# Altium PCB radxa_cm4_io_v1.10.PcbDoc (part 1 of 8) (continued)
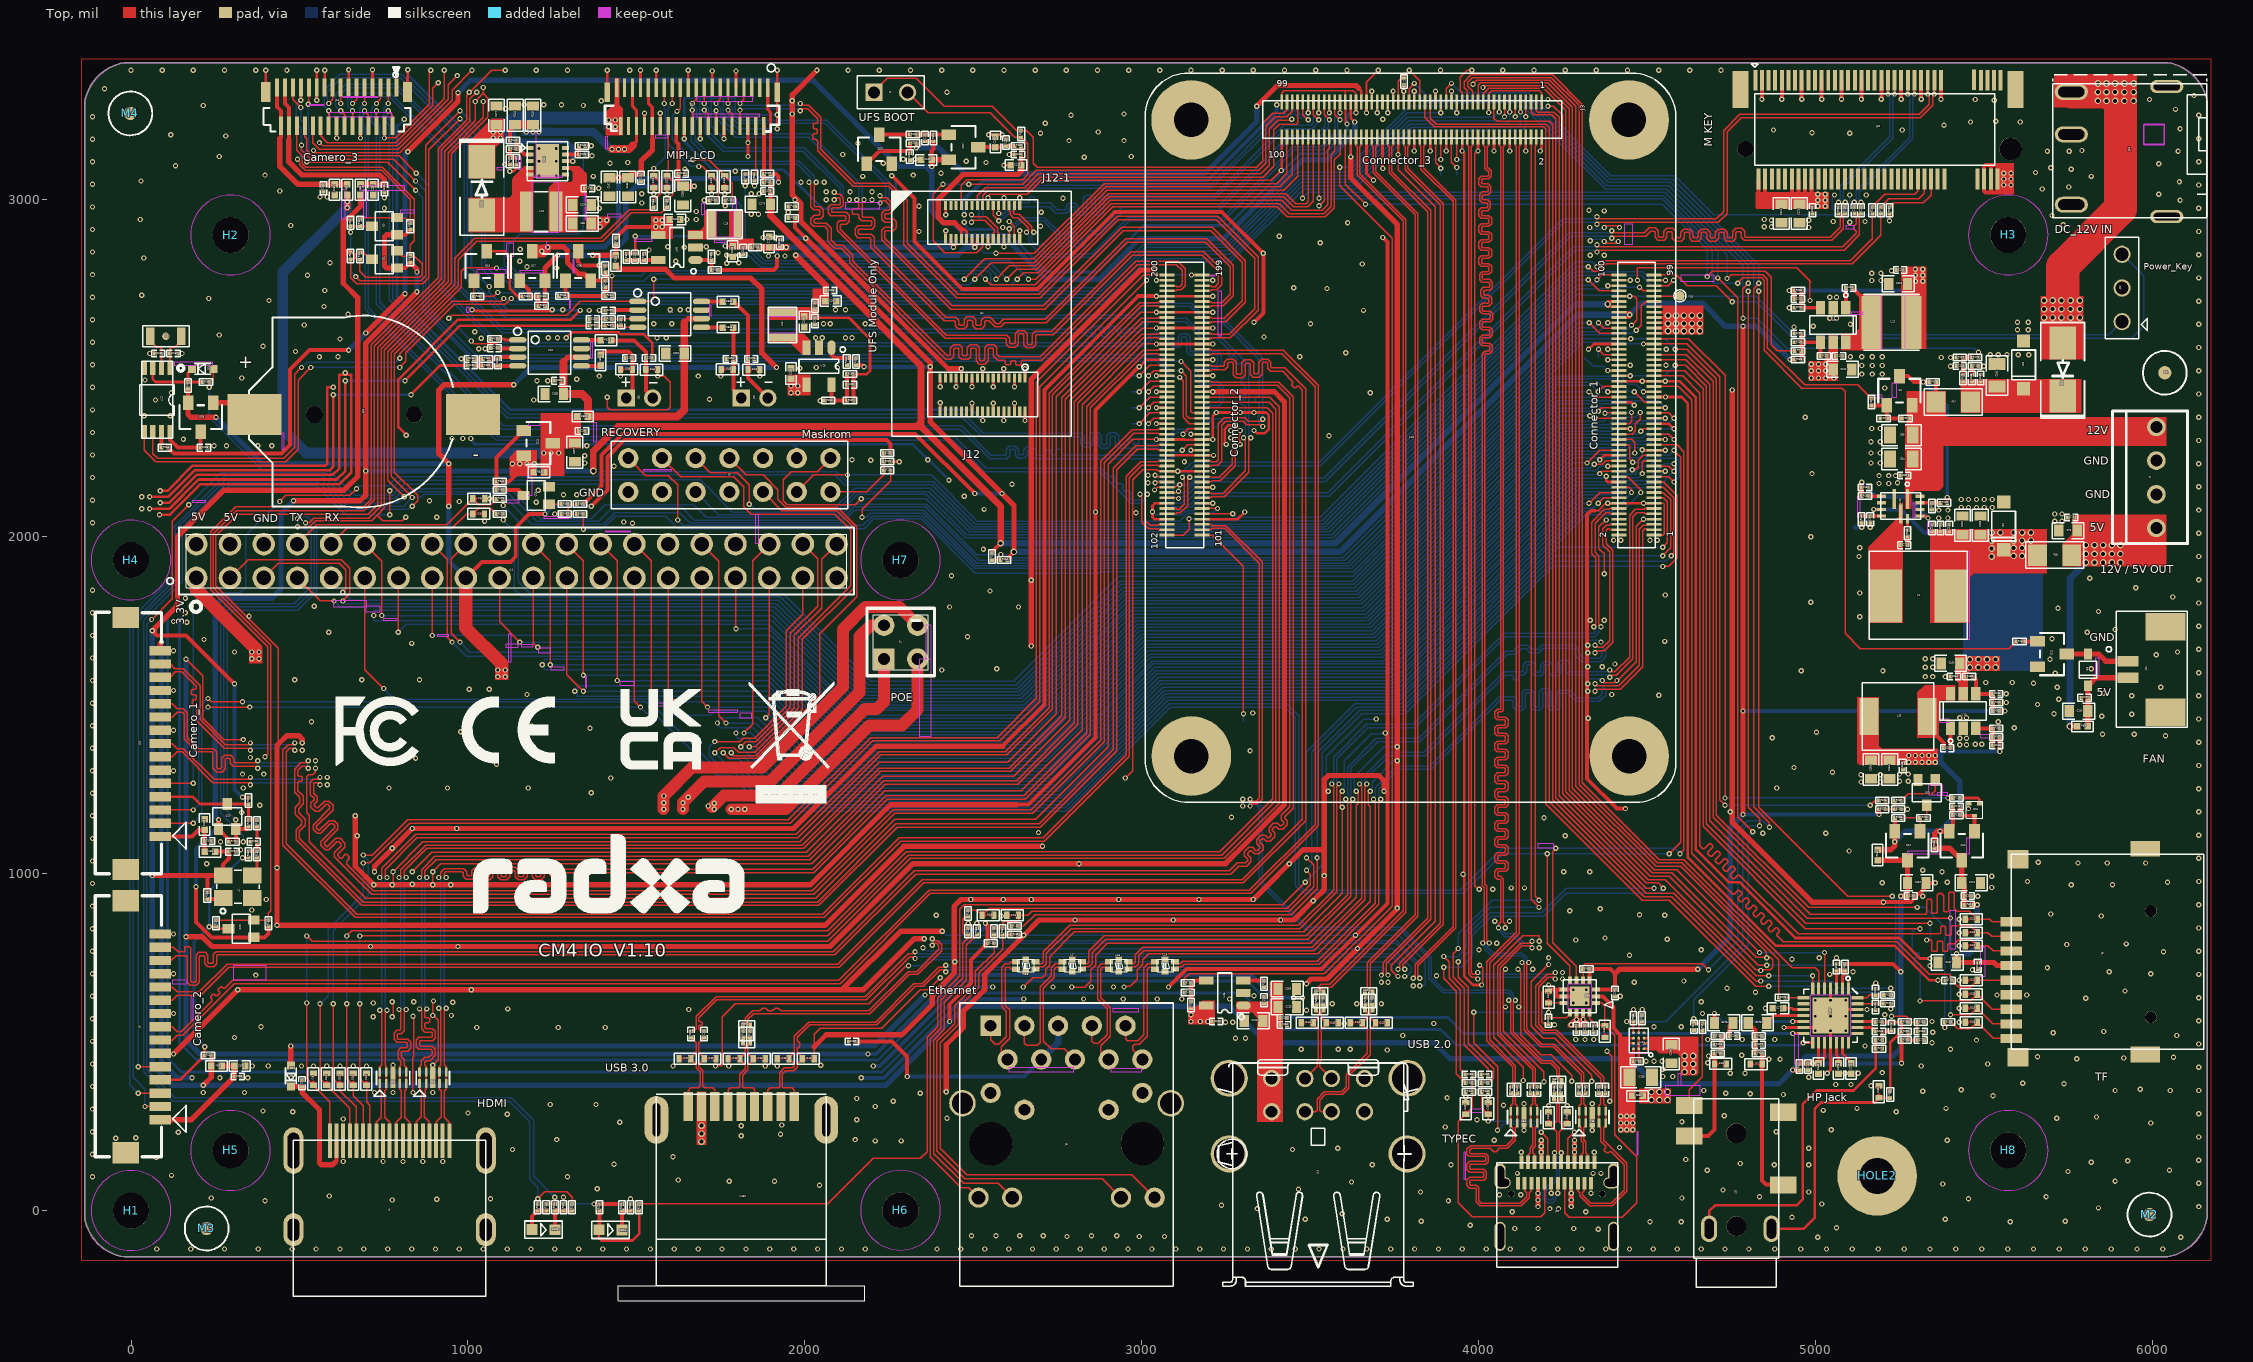
[diagram p0: Top view]
## Classes and differential pairs
net class MLNetGroup3: DP_TX_AUXN_SBU2 DP_TX_AUXP_SBU1 SSRX1N_DP_TX_D0N SSRX1P_DP_TX_D0P SSRX2N_DP_TX_D2N SSRX2P_DP_TX_D2P SSTX1N_DP_TX_D1N SSTX1P_DP_TX_D1P SSTX2N_DP_TX_D3N SSTX2P_DP_TX_D3P
net class MLNetGroup2: PHY1_MDI0+ PHY1_MDI0- PHY1_MDI1+ PHY1_MDI1- PHY1_MDI2+ PHY1_MDI2- PHY1_MDI3+ PHY1_MDI3-
net class MLNetGroup12: MIPI_DPHY_CSI3_RX_CLKN MIPI_DPHY_CSI3_RX_CLKP MIPI_DPHY_CSI3_RX_D0N MIPI_DPHY_CSI3_RX_D0P MIPI_DPHY_CSI3_RX_D1N MIPI_DPHY_CSI3_RX_D1P
net class MLNetGroup13: MIPI_DPHY_CSI4_RX_CLKN MIPI_DPHY_CSI4_RX_CLKP MIPI_DPHY_CSI4_RX_D0N MIPI_DPHY_CSI4_RX_D0P MIPI_DPHY_CSI4_RX_D1N MIPI_DPHY_CSI4_RX_D1P
net class MLNetGroup10: UFS_RX_D0N UFS_RX_D0P UFS_RX_D1N UFS_RX_D1P UFS_TX_D0N UFS_TX_D0P UFS_TX_D1N UFS_TX_D1P
net class MLNetGroup11: MIPI_DPHY_CSI2_RX_CLKN MIPI_DPHY_CSI2_RX_CLKP MIPI_DPHY_CSI2_RX_D0N MIPI_DPHY_CSI2_RX_D0P MIPI_DPHY_CSI2_RX_D1N MIPI_DPHY_CSI2_RX_D1P
net class MLNetGroup16: HDMI_TX0N HDMI_TX0P HDMI_TX1N HDMI_TX1P HDMI_TX2N HDMI_TX2P HDMI_TX3N HDMI_TX3P
net class HighSpeedClass_4(RuleSet): PHY1_MDI0+ PHY1_MDI1+ PHY1_MDI2+ PHY1_MDI3+
net class MLNetGroup14: MIPI_DPHY_DSI_TX_CLKN MIPI_DPHY_DSI_TX_CLKP MIPI_DPHY_DSI_TX_D0N MIPI_DPHY_DSI_TX_D0P MIPI_DPHY_DSI_TX_D1N MIPI_DPHY_DSI_TX_D1P MIPI_DPHY_DSI_TX_D2N MIPI_DPHY_DSI_TX_D2P MIPI_DPHY_DSI_TX_D3N MIPI_DPHY_DSI_TX_D3P
net class MLNetGroup15: MIPI_DPHY_CSI1_RX_CLKN MIPI_DPHY_CSI1_RX_CLKP MIPI_DPHY_CSI1_RX_D0N MIPI_DPHY_CSI1_RX_D0P MIPI_DPHY_CSI1_RX_D1N MIPI_DPHY_CSI1_RX_D1P
net class MLNetGroup1: SDMMC0_CLK SDMMC0_CMD SDMMC0_D0 SDMMC0_D1 SDMMC0_D2/JTAG_TCK_M0 SDMMC0_D3/JTAG_TMS_M0
differential pair class DiffPairClassFor_DP_GAP_39370_Width_39370: DP_TX_AUX N381984 N384347 N384523 N3819842 PCIE1_RX PCIE1_TX SSRX1 SSRX2 SSTX1 SSTX2 TYPEC0_OTGD TYPEC0RX1 TYPEC0RX2 TYPEC0TX1 TYPEC0TX2 USB2_OTG0_D USB20_1D USB20_2D USB20_3D
differential pair MIPI_DPHY_CSI1_RX_CLK: +MIPI_DPHY_CSI1_RX_CLKN -MIPI_DPHY_CSI1_RX_CLKP
differential pair MIPI_DPHY_CSI1_RX_D0: +MIPI_DPHY_CSI1_RX_D0N -MIPI_DPHY_CSI1_RX_D0P
differential pair MIPI_DPHY_CSI1_RX_D1: +MIPI_DPHY_CSI1_RX_D1N -MIPI_DPHY_CSI1_RX_D1P
differential pair MIPI_DPHY_CSI4_RX_D1: +MIPI_DPHY_CSI4_RX_D1N -MIPI_DPHY_CSI4_RX_D1P
differential pair N1946387: +N19463875 -N19463877
differential pair MIPI_DPHY_CSI4_RX_CLK: +MIPI_DPHY_CSI4_RX_CLKP -MIPI_DPHY_CSI4_RX_CLKN
differential pair MIPI_DPHY_CSI4_RX_D0: +MIPI_DPHY_CSI4_RX_D0P -MIPI_DPHY_CSI4_RX_D0N
differential pair MIPI_DPHY_CSI3_RX_D0: +MIPI_DPHY_CSI3_RX_D0N -MIPI_DPHY_CSI3_RX_D0P
differential pair MIPI_DPHY_CSI3_RX_D1: +MIPI_DPHY_CSI3_RX_D1N -MIPI_DPHY_CSI3_RX_D1P
differential pair N384347: +N38434760 -N38434788
differential pair MIPI_DPHY_CSI3_RX_CLK: +MIPI_DPHY_CSI3_RX_CLKP -MIPI_DPHY_CSI3_RX_CLKN
differential pair MIPI_DPHY_CSI2_RX_CLK: +MIPI_DPHY_CSI2_RX_CLKP -MIPI_DPHY_CSI2_RX_CLKN
differential pair MIPI_DPHY_CSI2_RX_D0: +MIPI_DPHY_CSI2_RX_D0N -MIPI_DPHY_CSI2_RX_D0P
differential pair MIPI_DPHY_CSI2_RX_D1: +MIPI_DPHY_CSI2_RX_D1N -MIPI_DPHY_CSI2_RX_D1P
differential pair N19471: +N19471161 -N19471204
differential pair PHY_MDI0: +PHY_MDI0- -PHY_MDI0+
differential pair PHY_MDI1: +PHY_MDI1- -PHY_MDI1+
differential pair PHY_MDI2: +PHY_MDI2- -PHY_MDI2+
differential pair PHY1_MDI2: +PHY1_MDI2- -PHY1_MDI2+
differential pair PHY1_MDI0: +PHY1_MDI0+ -PHY1_MDI0-
differential pair PHY1_MDI1: +PHY1_MDI1- -PHY1_MDI1+
differential pair PHY1_MDI3: +PHY1_MDI3- -PHY1_MDI3+
differential pair UFS_RX_D0: +UFS_RX_D0P -UFS_RX_D0N
differential pair N381984: +N38198493 -N38198421
differential pair N3819842: +N38198427 -N38198429
differential pair UFS_RX_D1: +UFS_RX_D1P -UFS_RX_D1N
differential pair PHY_MDI3: +PHY_MDI3- -PHY_MDI3+
differential pair UFS_TX_D1: +UFS_TX_D1P -UFS_TX_D1N
differential pair UFS_TX_D0: +UFS_TX_D0P -UFS_TX_D0N
differential pair HDMI_TX1: +HDMI_TX1N -HDMI_TX1P
differential pair HDMI_TX2: +HDMI_TX2N -HDMI_TX2P
differential pair MIPI_DPHY_DSI_TX_D3: +MIPI_DPHY_DSI_TX_D3P -MIPI_DPHY_DSI_TX_D3N
differential pair HDMI_TX0: +HDMI_TX0N -HDMI_TX0P
differential pair TYPEC0RX2: +TYPEC0RX2P -TYPEC0RX2N
differential pair TYPEC0RX1: +TYPEC0RX1P -TYPEC0RX1N
differential pair HDMI_TX3: +HDMI_TX3N -HDMI_TX3P
differential pair PCIE0_SOC_RX: +PCIE0_SOC_RXN -PCIE0_SOC_RXP
differential pair PCIE0_SOC_REFCLK: +PCIE0_SOC_REFCLKN -PCIE0_SOC_REFCLKP
differential pair PCIE0_SOC_TX: +PCIE0_SOC_TXP -PCIE0_SOC_TXN
differential pair MIPI_DPHY_DSI_TX_CLK: +MIPI_DPHY_DSI_TX_CLKP -MIPI_DPHY_DSI_TX_CLKN
differential pair MIPI_DPHY_DSI_TX_D2: +MIPI_DPHY_DSI_TX_D2P -MIPI_DPHY_DSI_TX_D2N
differential pair MIPI_DPHY_DSI_TX_D1: +MIPI_DPHY_DSI_TX_D1P -MIPI_DPHY_DSI_TX_D1N
differential pair MIPI_DPHY_DSI_TX_D0: +MIPI_DPHY_DSI_TX_D0P -MIPI_DPHY_DSI_TX_D0N
differential pair TYPEC0TX1: +TYPEC0TX1N -TYPEC0TX1P
differential pair PCIE1_TX: +PCIE1_TXP/USB3_OTG1_SSTXP -PCIE1_TXN/USB3_OTG1_SSTXN
differential pair DP_TX_AUX: +DP_TX_AUXN_SBU2 -DP_TX_AUXP_SBU1
differential pair SSRX1: +SSRX1P_DP_TX_D0P -SSRX1N_DP_TX_D0N
differential pair PCIE1_RX: +PCIE1_RXP/USB3_OTG1_SSRXP -PCIE1_RXN/USB3_OTG1_SSRXN
differential pair N384523: +N38452344 -N38452372
differential pair TYPEC0_OTGD: +TYPEC0_OTGDM -TYPEC0_OTGDP
differential pair USB2_OTG0_D: +USB2_OTG0_DM -USB2_OTG0_DP
differential pair USB20_2D: +USB20_2DP -USB20_2DM
differential pair USB20_1D: +USB20_1DP -USB20_1DM
differential pair TYPEC0TX2: +TYPEC0TX2N -TYPEC0TX2P
differential pair USB20_3D: +USB20_3DP -USB20_3DM
differential pair SSRX2: +SSRX2P_DP_TX_D2P -SSRX2N_DP_TX_D2N
differential pair SSTX1: +SSTX1P_DP_TX_D1P -SSTX1N_DP_TX_D1N
differential pair SSTX2: +SSTX2N_DP_TX_D3N -SSTX2P_DP_TX_D3P

## Components (designator, comment, footprint, x,y, rotation, side; value= is the part's Value field where it differs from the comment)
C1 "C0201" C0201 4637.8,545.28 r270 top
C77 "C0201" C0201 5261.81,1974.41 r180 top
C78 "C0603" C0603 5748.03,2017.72 r180 top
C79 "C0201" C0201 5757.87,2057.09 r180 top
C83 "C0201" C0201 5261.81,2181.1 r180 top
C84 "C0805" C0805 5253.94,2230.32 r180 top
C89 "C0805" C0805 5253.94,2301.18 r180 top
C90 "C0201" C0201 5370.08,2025.59 r90 top
C106 "C0603" C0603 5488.19,2033.46 r90 top
C107 "C0603" C0603 5435.04,2033.46 r90 top
C144 "C0201" C0201 5395.67,2025.59 r90 top
C146 "C0201" C0201 5344.49,2025.59 r90 top
C148 "C0201" C0201 5427.17,2505.91 r180 top
C150 "C0201" C0201 5161.42,2051.18 r270 top
C151 "C0201" C0201 5145.67,2145.67 r0 top
C152 "C0201" C0201 5389.76,1372.05 r180 top
C153 "C0603" C0603 5399.61,1624.02 r180 top
C154 "C0201" C0201 5409.45,1584.65 r180 top
C155 "C0201" C0201 5462.6,2470.47 r90 top
C156 "C0603" C0603 5163.39,1309.06 r270 top
C157 "C0603" C0603 5299.21,972.44 r0 top
C158 "C0201" C0201 5281.5,933.07 r0 top
C159 "C0201" C0201 5257.87,1318.9 r270 top
C160 "C0201" C0201 5535.43,1379.92 r180 top
C161 "C0805" C0805 5537.4,2478.35 r270 top
C162 "C0201" C0201 5488.19,2470.47 r90 top
C163 "C0201" C0201 5535.43,1533.46 r0 top
C164 "C0603" C0603 5218.5,1309.06 r270 top
C167 "C0603" C0603 5389.76,736.22 r180 top
C168 "C0201" C0201 5480.32,726.38 r270 top
C169 "C0201" C0201 2139.76,501.97 r0 top
C170 "C0201" C0201 5393.7,683.07 r180 top
C171 "C0201" C0201 5450.79,933.07 r0 top
C172 "C0603" C0603 5460.63,972.44 r0 top
C173 "C0201" C0201 5417.32,1198.82 r0 top
C174 "C0201" C0201 1356.3,3033.46 r0 top
C175 "C0201" C0201 507.87,377.95 r90 top
C176 "C0603" C0603 1338.58,2984.25 r0 top
C177 "C0603" C0603 1084.65,3250 r90 top
C178 "C0201" C0201 1887.8,3025.59 r180 top
C179 "C0603" C0603 1870.08,2986.22 r180 top
C180 "C0201" C0201 1143.7,3114.17 r90 top
C181 "C0201" C0201 1218.5,2712.6 r180 top
C182 "C0603" C0603 1419.29,3037.4 r270 top
C183 "C0603" C0603 1474.41,3037.4 r270 top
C184 "C0201" C0201 1513.78,3064.96 r270 top
C185 "C0603" C0603 1637.8,3011.81 r270 top
C186 "C0201" C0201 1633.86,3076.77 r0 top
C187 "C0201" C0201 125.98,2543.31 r180 top
C188 "C0201" C0201 216.54,2263.78 r0 top
C189 "C0201" C0201 80.71,2543.31 r0 top
C190 "C0402" C0402 218.5,1145.67 r90 top
C191 "C0201" C0201 228.35,1096.46 r0 top
C192 "C0402" C0402 322.83,429.13 r0 top
C193 "C0201" C0201 316.93,397.64 r0 top
C194 "C0201" C0201 301.18,1064.96 r0 top
C195 "C0201" C0201 364.17,1094.49 r180 top
C196 "C0201" C0201 3220.47,561.02 r0 top
C197 "C0201" C0201 5797.24,1521.65 r180 top
C198 "C0603" C0603 3431.1,657.48 r0 top
C199 "C0201" C0201 3362.2,624.02 r90 top
C200 "C0603" C0603 5779.53,1482.28 r180 top
C201 "C0201" C0201 2133.86,2450.79 r180 top
C202 "C0402" C0402 1958.66,2484.25 r90 top
C203 "C0402" C0402 1998.03,2637.8 r270 top
C204 "C0201" C0201 1700.79,523.62 r270 top
C205 "C0201" C0201 1661.42,523.62 r270 top
C206 "C0201" C0201 2029.53,2639.76 r270 top
C207 "C0402" C0402 2076.77,2698.82 r0 top
C208 "C0201" C0201 2074.8,2730.32 r0 top
C209 "C0402" C0402 2564.96,3171.26 r90 top
C210 "C0201" C0201 5098.43,2738.19 r0 top
C211 "C0603" C0603 5078.74,2496.06 r0 top
C212 "C0201" C0201 5068.9,2535.43 r0 top
C213 "C0603" C0603 3330.71,562.99 r180 top
C214 "C0201" C0201 3421.26,551.18 r0 top
C215 "C0201" C0201 3421.26,570.87 r0 top
C216 "C0603" C0603 3431.1,604.33 r0 top
C217 "C0201" C0201 4946.85,2704.72 r0 top
C218 "C0201" C0201 5250,2791.34 r180 top
C219 "C0603" C0603 5244.09,2750 r180 top
C220 "C0201" C0201 4946.85,2602.36 r180 top
C221 "C0201" C0201 5114.17,2968.5 r90 top
C222 "C0201" C0201 5133.86,2968.5 r90 top
C223 "C0603" C0603 4950.79,2958.66 r270 top
C224 "C0603" C0603 4897.64,2958.66 r270 top
C225 "C0201" C0201 4990.16,2968.5 r270 top
C226 "C0201" C0201 2596.46,3169.29 r90 top
C227 "C0402" C0402 2360.24,3118.11 r180 top
C228 "C0201" C0201 2356.3,3183.07 r90 top
C229 "C0402" C0402 2625.98,3102.36 r180 top
C230 "C0201" C0201 2631.89,3133.86 r180 top
C231 "C0201" C0201 751.97,3031.5 r270 top
C232 "C0201" C0201 2311.02,3127.95 r270 top
C233 "C0402" C0402 718.5,3029.53 r270 top
C234 "C0402" C0402 604.33,3029.53 r270 top
C235 "C0201" C0201 570.87,3033.46 r270 top
C236 "C0201" C0201 5061.02,722.44 r90 top
C237 "C0402" C0402 1893.7,2874.02 r90 top
C238 "C0201" C0201 1925.2,2872.05 r90 top
C239 "C0402" C0402 1785.43,2846.46 r270 top
C240 "C0201" C0201 1816.93,2848.43 r270 top
C241 "C0402" C0402 1614.17,2940.94 r0 top
C242 "C0201" C0201 1496.06,2830.71 r270 top
C243 "C0201" C0201 4976.38,427.17 r270 top
C244 "C0402" C0402 5007.87,421.26 r270 top
C245 "C0201" C0201 5177.17,649.61 r90 top
C246 "C0201" C0201 5177.17,604.33 r270 top
C247 "C0201" C0201 5187.01,559.06 r0 top
C248 "C0201" C0201 5187.01,531.5 r0 top
C249 "C0201" C0201 4017.72,403.54 r180 top
C250 "C0201" C0201 3970.47,403.54 r0 top
C251 "C0201" C0201 4173.23,358.27 r270 top
C252 "C0201" C0201 4153.54,358.27 r270 top
C253 "C0201" C0201 4375.98,358.27 r270 top
C254 "C0201" C0201 4356.3,358.27 r270 top
C255 "C0603" C0603 4570.87,464.57 r270 top
C256 "C0805" C0805 4480.32,395.67 r0 top
C257 "C0201" C0201 4206.69,562.99 r270 top
C258 "C0201" C0201 4340.55,539.37 r270 top
C269 "C0201" C0201 4403.54,645.67 r270 top
C270 "C0201" C0201 4314.96,539.37 r270 top
C271 "C0201" C0201 4289.37,539.37 r270 top
C272 "C0402" C0402 4887.8,600.39 r180 top
C273 "C0402" C0402 5066.93,421.26 r270 top
C274 "C0402" C0402 5104.33,421.26 r270 top
C275 "C0603" C0603 4726.38,557.09 r0 top
C276 "C0201" C0201 5224.41,545.28 r270 top
C277 "C0201" C0201 5311.02,505.91 r0 top
C278 "C0603" C0603 4826.77,557.09 r180 top
C279 "C0201" C0201 4830.71,492.13 r0 top
C280 "C0201" C0201 4753.94,517.72 r0 top
C281 "C0201" C0201 5311.02,531.5 r0 top
C282 "C0201" C0201 1267.72,2462.6 r180 top
C283 "C0201" C0201 1078.74,2559.06 r0 top
C284 "C0201" C0201 1007.87,2527.56 r0 top
C285 "C0603" C0603 1255.91,2423.23 r180 top
C286 "C0201" C0201 1088.58,2517.72 r270 top
C287 "C0201" C0201 1478.35,2529.53 r180 top
C288 "C0201" C0201 1537.4,2529.53 r0 top
C289 "C0201" C0201 1007.87,2507.87 r0 top
C290 "C0201" C0201 1417.32,2671.26 r0 top
C291 "C0201" C0201 1370.08,2645.67 r0 top
C292 "C0603" C0603 1614.17,2543.31 r180 top
C293 "C0201" C0201 1454.72,2635.83 r270 top
C294 "C0201" C0201 1777.56,2527.56 r180 top
C295 "C0201" C0201 1840.55,2527.56 r0 top
C296 "C0201" C0201 1370.08,2625.98 r0 top
C297 "C0603" C0603 1316.93,2250 r270 top
C298 "C0201" C0201 1338.58,2312.99 r0 top
D1 "SOD_123" SOD_123 5557.09,2031.5 r270 top
D2 "ESD_D0402" ESD_D0402 1031.5,2066.93 r0 top
D3 "ESD_D0402" ESD_D0402 1031.89,2112.6 r0 top
D4 "DO_214AC" DO_214AC 5732.28,2496.06 r270 top
D5 "SOD_123" SOD_123 5616.14,2509.84 r270 top
D6 "SOD_323" SOD_323 5807.09,1604.33 r270 top
D7 "ESD_D0402" ESD_D0402 4822.83,435.04 r180 top
D8 "SOD_523" SOD_523 474.41,399.61 r0 top
D9 "ESD_D0402" ESD_D0402 541.34,389.76 r90 top
D10 "ESD_D0402" ESD_D0402 659.45,389.76 r90 top
D11 "ESD_D0402" ESD_D0402 580.71,389.76 r90 top
D12 "ESD_D0402" ESD_D0402 620.08,389.76 r90 top
D14 "ESD_D0402" ESD_D0402 698.82,389.76 r90 top
D15 "ESD_D0402" ESD_D0402 2616.14,875.98 r180 top
D16 "ESD_D0402" ESD_D0402 2543.31,875.98 r0 top
D17 "ESD_D0402" ESD_D0402 5460.63,785.43 r0 top
D18 "ESD_D0402" ESD_D0402 5460.63,559.06 r0 top
D19 "ESD_D0402" ESD_D0402 5460.63,600.39 r0 top
D20 "ESD_D0402" ESD_D0402 5460.63,641.73 r0 top
D21 "ESD_D0402" ESD_D0402 5460.63,683.07 r0 top
D22 "ESD_D0402" ESD_D0402 5460.63,864.17 r0 top
D23 "ESD_D0402" ESD_D0402 5460.63,824.8 r0 top
D24 "DO_214AC" DO_214AC 1041.34,3033.46 r90 top
D25 "ESD_D0402" ESD_D0402 1722.44,3053.15 r270 top
D26 "ESD_D0402" ESD_D0402 1551.18,3053.15 r270 top
D27 "ESD_D0402" ESD_D0402 1590.55,3053.15 r270 top
D28 "ESD_D0402" ESD_D0402 1761.81,3053.15 r270 top
D29 "SOT_23" SOT_23 206.69,2354.33 r180 top
D30 "SOD_523" SOD_523 212.6,2498.03 r270 top
D31 "ESD_D0402" ESD_D0402 5187.01,352.36 r90 top
D32 "ESD_D0402" ESD_D0402 4716.54,435.04 r0 top
D33 "ESD_D0402" ESD_D0402 1470.47,2496.06 r0 top
D34 "ESD_D0402" ESD_D0402 1545.28,2496.06 r180 top
D35 "ESD_D0402" ESD_D0402 1864.17,450.79 r180 top
D36 "ESD_D0402" ESD_D0402 1935.04,450.79 r0 top
D37 "ESD_D0402" ESD_D0402 1643.7,450.79 r0 top
D38 "ESD_D0402" ESD_D0402 1789.37,450.79 r0 top
D39 "ESD_D0402" ESD_D0402 1718.5,450.79 r180 top
D40 "ESD_D0402" ESD_D0402 2009.84,450.79 r180 top
D41 "ESD_D0402" ESD_D0402 3635.83,557.09 r0 top
D42 "ESD_D0402" ESD_D0402 3710.63,557.09 r180 top
D43 "ESD_D0402" ESD_D0402 3564.96,557.09 r180 top
D44 "ESD_D0402" ESD_D0402 3490.16,557.09 r0 top
D45 "ESD_D0402" ESD_D0402 1769.68,2496.06 r0 top
D46 "ESD_D0402" ESD_D0402 4261.81,275.59 r270 top
D47 "ESD_D0402" ESD_D0402 4206.69,633.86 r270 top
D48 "ESD_D0402" ESD_D0402 4374.02,531.5 r90 top
D49 "ESD_D0402" ESD_D0402 3960.63,303.15 r270 top
D50 "ESD_D0402" ESD_D0402 4027.56,303.15 r270 top
D51 "ESD_D0402" ESD_D0402 4206.69,275.59 r270 top
D52 "ESD_D0402" ESD_D0402 1848.43,2496.06 r180 top
FB1 "FB0402" FB0402 253.94,429.13 r180 top
FB2 "FB0603" FB0603 1338.58,2929.13 r180 top
FB3 "FB0402" FB0402 234.25,1064.96 r0 top
FB4 "FB0402" FB0402 681.1,3029.53 r270 top
FB5 "FB0402" FB0402 641.73,3029.53 r270 top
FB8 "CML_SM4_0D6_1D5" CML_SM4_0D6_1D5 1826.77,523.62 r270 top
FB9 "FB0402" FB0402 5791.34,1437.01 r0 top
FB14 "FB0201" FB0201 5086.61,722.44 r270 top
FB15 "FB0201" FB0201 4950.79,427.17 r90 top
FB16 "FB0201" FB0201 4708.66,466.54 r180 top
FB17 "FB0201" FB0201 4830.71,466.54 r0 top
FB21 "FB0201" FB0201 5220.47,344.49 r270 top
FB22 "FB0402" FB0402 1340.55,2356.3 r0 top
FB23 "FB0402" FB0402 1409.45,2582.68 r0 top
FB24 "FB0402" FB0402 1393.7,2523.62 r90 top
FB25 "FB0402" FB0402 1771.65,2696.85 r0 top
FB26 "FB0402" FB0402 1771.65,2620.08 r0 top
H1 "HOLE_R6_2D7MM" HOLE_R6_2D7MM 0,0 r0 top
H2 "HOLE_R6_2D7MM" HOLE_R6_2D7MM 295.28,2894.88 r0 top
H3 "HOLE_R6_2D7MM" HOLE_R6_2D7MM 5570.87,2895.28 r0 top
H4 "HOLE_R6_2D7MM" HOLE_R6_2D7MM -0.39,1930.32 r0 top
H5 "HOLE_R6_2D7MM" HOLE_R6_2D7MM 295.28,178.35 r0 top
H6 "HOLE_R6_2D7MM" HOLE_R6_2D7MM 2283.46,1.18 r0 top
H7 "HOLE_R6_2D7MM" HOLE_R6_2D7MM 2283.46,1930.32 r0 top
H8 "HOLE_R6_2D7MM" HOLE_R6_2D7MM 5570.87,178.35 r0 top
HOLE2 "HOLE_2D7_6D0_A" HOLE_2D7_6D0_A 5181.89,102.76 r0 top
J2 "CON_TH1X2_2D54_STA_PZ" CON_TH1X2_2D54_STA_PZ 2204.72,3318.5 r90 top
J3 "BTB_SMD100_0D4_STA_FX" BTB_SMD100_0D4_STA_FX 4245.28,3293.31 r270 top
J4 "CON_TH1X4_2D54_SATA" CON_TH1X4_2D54_SATA 6010.24,2325.98 r270 top
J5 "CON_HDMI_TH_19P_STA" CON_HDMI_TH_19P_STA 764.57,30.32 r180 top
J6 "RJ45_LED_TH22_LIE" RJ45_LED_TH22_LIE 2551.18,548.43 r0 top
J7 "CONM_TH2X2_2D54_STA" CONM_TH2X2_2D54_STA 2234.25,1637.01 r90 top
J8 "SD_SM9_1D1_15D75" SD_SM9_1D1_15D75 5993.7,731.1 r0 top
J9 "FPC_15_1D0_LIE" FPC_15_1D0_LIE 86.61,820.87 r90 top
J10 "FPC_15_1D0_LIE" FPC_15_1D0_LIE 86.61,1661.42 r90 top
J11 "CON_TH20X2_2D54_STA" CON_TH20X2_2D54_STA 1143.7,1927.56 r0 top
J12 "EMMC_SLOT_30P_34P" EMMC_SLOT_30P_34P 2653.15,2470.47 r180 top
J13 "CON_USB2D0_TH1X2_LIE" CON_USB2D0_TH1X2_LIE 3522.83,168.11 r90 top
J14 "CON_SM2_1D25_STA" CON_SM2_1D25_STA 5926.38,1581.1 r270 top
J15 "TYPEC_SM24P_0D5" TYPEC_SM24P_0D5 4062.6,-76.38 r0 top
J16 "FPC_31P_0D3_LIE" FPC_31P_0D3_LIE 787.4,3332.68 r180 top
J17 "CONM_TH2X7_2D54_STA" CONM_TH2X7_2D54_STA 1775.59,2183.07 r0 top
J18 "CON_TH1X2_2D0_STA" CON_TH1X2_2D0_STA 1469.29,2411.42 r90 top
J19 "CON_TH1X2_2D0_STA" CON_TH1X2_2D0_STA 1811.02,2411.42 r90 top
J22 "CON_TH1X3_2D54_STA" CON_TH1X3_2D54_STA 5908.66,2737.8 r90 top
J23 "BAT_SM2_12X2" BAT_SM2_12X2 694.88,2361.81 r90 top
J24 "DC_TH5_12X10" DC_TH5_12X10 6159.45,3193.7 r90 top
J25 "AUDIO_SM6_LIE" AUDIO_SM6_LIE 4763.78,-46.46 r90 top
J30 "M2-M_KEY_SM_75_0D5" M2-M_KEY_SM_75_0D5 5184.25,3207.87 r0 top
L2 "L_6050" L_6050 5307.09,1826.77 r0 top
L15 "L_5020" L_5020 5244.09,1466.54 r180 top
L16 "CML_SM6_0D55_1" CML_SM6_0D55_1 2625.98,738.19 r0 top
L17 "CML_SM6_0D55_1" CML_SM6_0D55_1 2763.78,738.19 r0 top
L18 "CML_SM6_0D55_1" CML_SM6_0D55_1 2901.57,738.19 r0 top
L19 "CML_SM6_0D55_1" CML_SM6_0D55_1 3039.37,738.19 r0 top
L20 "L_3015" L_3015 1216.54,2964.57 r180 top
L21 "L_4020" L_4020 5224.41,2635.83 r0 top
L22 "L_2520" L_2520 1933.07,2627.95 r270 top
L23 "CML_SM4_0D6_1D5" CML_SM4_0D6_1D5 3673.23,622.05 r270 top
L24 "CML_SM4_0D6_1D5" CML_SM4_0D6_1D5 3527.56,622.05 r270 top
L29 "L_2520" L_2520 1761.81,2927.17 r180 top
L31 "CML_SM4_0D6_1D5" CML_SM4_0D6_1D5 4234.25,358.27 r90 top
LED2 "LED_D0603" LED_D0603 1224.02,-56.3 r0 top
LED3 "LED_D0603" LED_D0603 1422.83,-57.48 r0 top
M1 "MARK" MARK 6035.43,2486.22 r0 top
M2 "MARK" MARK 5990.16,-11.81 r0 top
M3 "MARK" MARK 224.41,-53.15 r0 top
M4 "MARK" MARK -1.97,3255.91 r0 top
P1 "TP_0R70" TP_0R70 5114.17,2027.56 r90 bottom
P4 "TP_0R70" TP_0R70 3019.68,2313.78 r180 bottom
P5 "TP_0R70" TP_0R70 2968.5,2335.43 r180 bottom
P6 "TP_0R70" TP_0R70 3017.72,2361.02 r270 bottom
P7 "TP_0R70" TP_0R70 2968.5,2382.68 r270 bottom
P8 "TP_0R70" TP_0R70 3019.68,2408.27 r180 bottom
P9 "TP_0R70" TP_0R70 2968.5,2429.92 r180 bottom
P10 "TP_0R70" TP_0R70 3019.68,2455.51 r180 bottom
P11 "TP_0R70" TP_0R70 2968.5,2477.17 r180 bottom
P12 "TP_0R70" TP_0R70 3865.35,3118.9 r180 bottom
P13 "TP_0R70" TP_0R70 3887.01,3071.65 r180 bottom
P14 "TP_0R70" TP_0R70 3301.18,1452.76 r180 bottom
P15 "TP_0R70" TP_0R70 3955.91,3118.9 r90 bottom
P16 "TP_0R70" TP_0R70 3934.25,3073.62 r180 bottom
P20 "TP_0R70" TP_0R70 3776.77,3342.91 r180 bottom
P24 "TP_0R70" TP_0R70 4312.99,2531.5 r180 bottom
P25 "TP_0R70" TP_0R70 4407.48,2517.72 r180 bottom
P26 "TP_0R70" TP_0R70 4354.33,2531.5 r180 bottom
P27 "TP_0R70" TP_0R70 4407.48,2557.09 r180 bottom
P28 "TP_0R70" TP_0R70 4596.46,2714.57 r0 top
Q1 "SOT_23" SOT_23 5248.03,2433.07 r0 top
Q2 "SOT_323" SOT_323 751.97,2822.83 r90 top
Q3 "SOT_323" SOT_323 751.97,2921.26 r90 top
Q12 "SOT_23" SOT_23 5271.65,1082.68 r180 top
Q13 "SOT_323" SOT_323 5328.74,1240.16 r180 top
Q14 "SOT_23" SOT_23 5433.07,1082.68 r180 top
Q15 "SOT_723" SOT_723 5486.22,1208.66 r180 top
Q16 "SOT_23" SOT_23 1326.77,2803.15 r0 top
Q17 "SOT_23" SOT_23 1190.94,2803.15 r0 top
Q18 "SOT_23" SOT_23 1055.12,2803.15 r0 top
Q19 "SOT_323" SOT_323 326.77,836.61 r90 top
Q20 "SOT_323" SOT_323 285.43,1169.29 r0 top
Q21 "SOT_23" SOT_23 5700.79,1651.57 r270 top
Q22 "SOT_23" SOT_23 2470.47,3155.51 r270 top
Q23 "SOT_23" SOT_23 2220.47,3149.61 r0 top
Q24 "SOT_23" SOT_23 1208.66,2277.56 r270 top